# Altium PCB EBAZ4205.PcbDoc (part 2 of 6)
Units mm, origin at the board's own origin, x right, y up, seen from the top; angles counter-clockwise.
Board outline 100.3 x 97 mm, 4 copper layers (Top Layer, MidLayer1, MidLayer2, Bottom Layer); 565 components, 392 nets, 1912 pads, 1242 vias.
Unrouted connection lines stored in the file: 7.
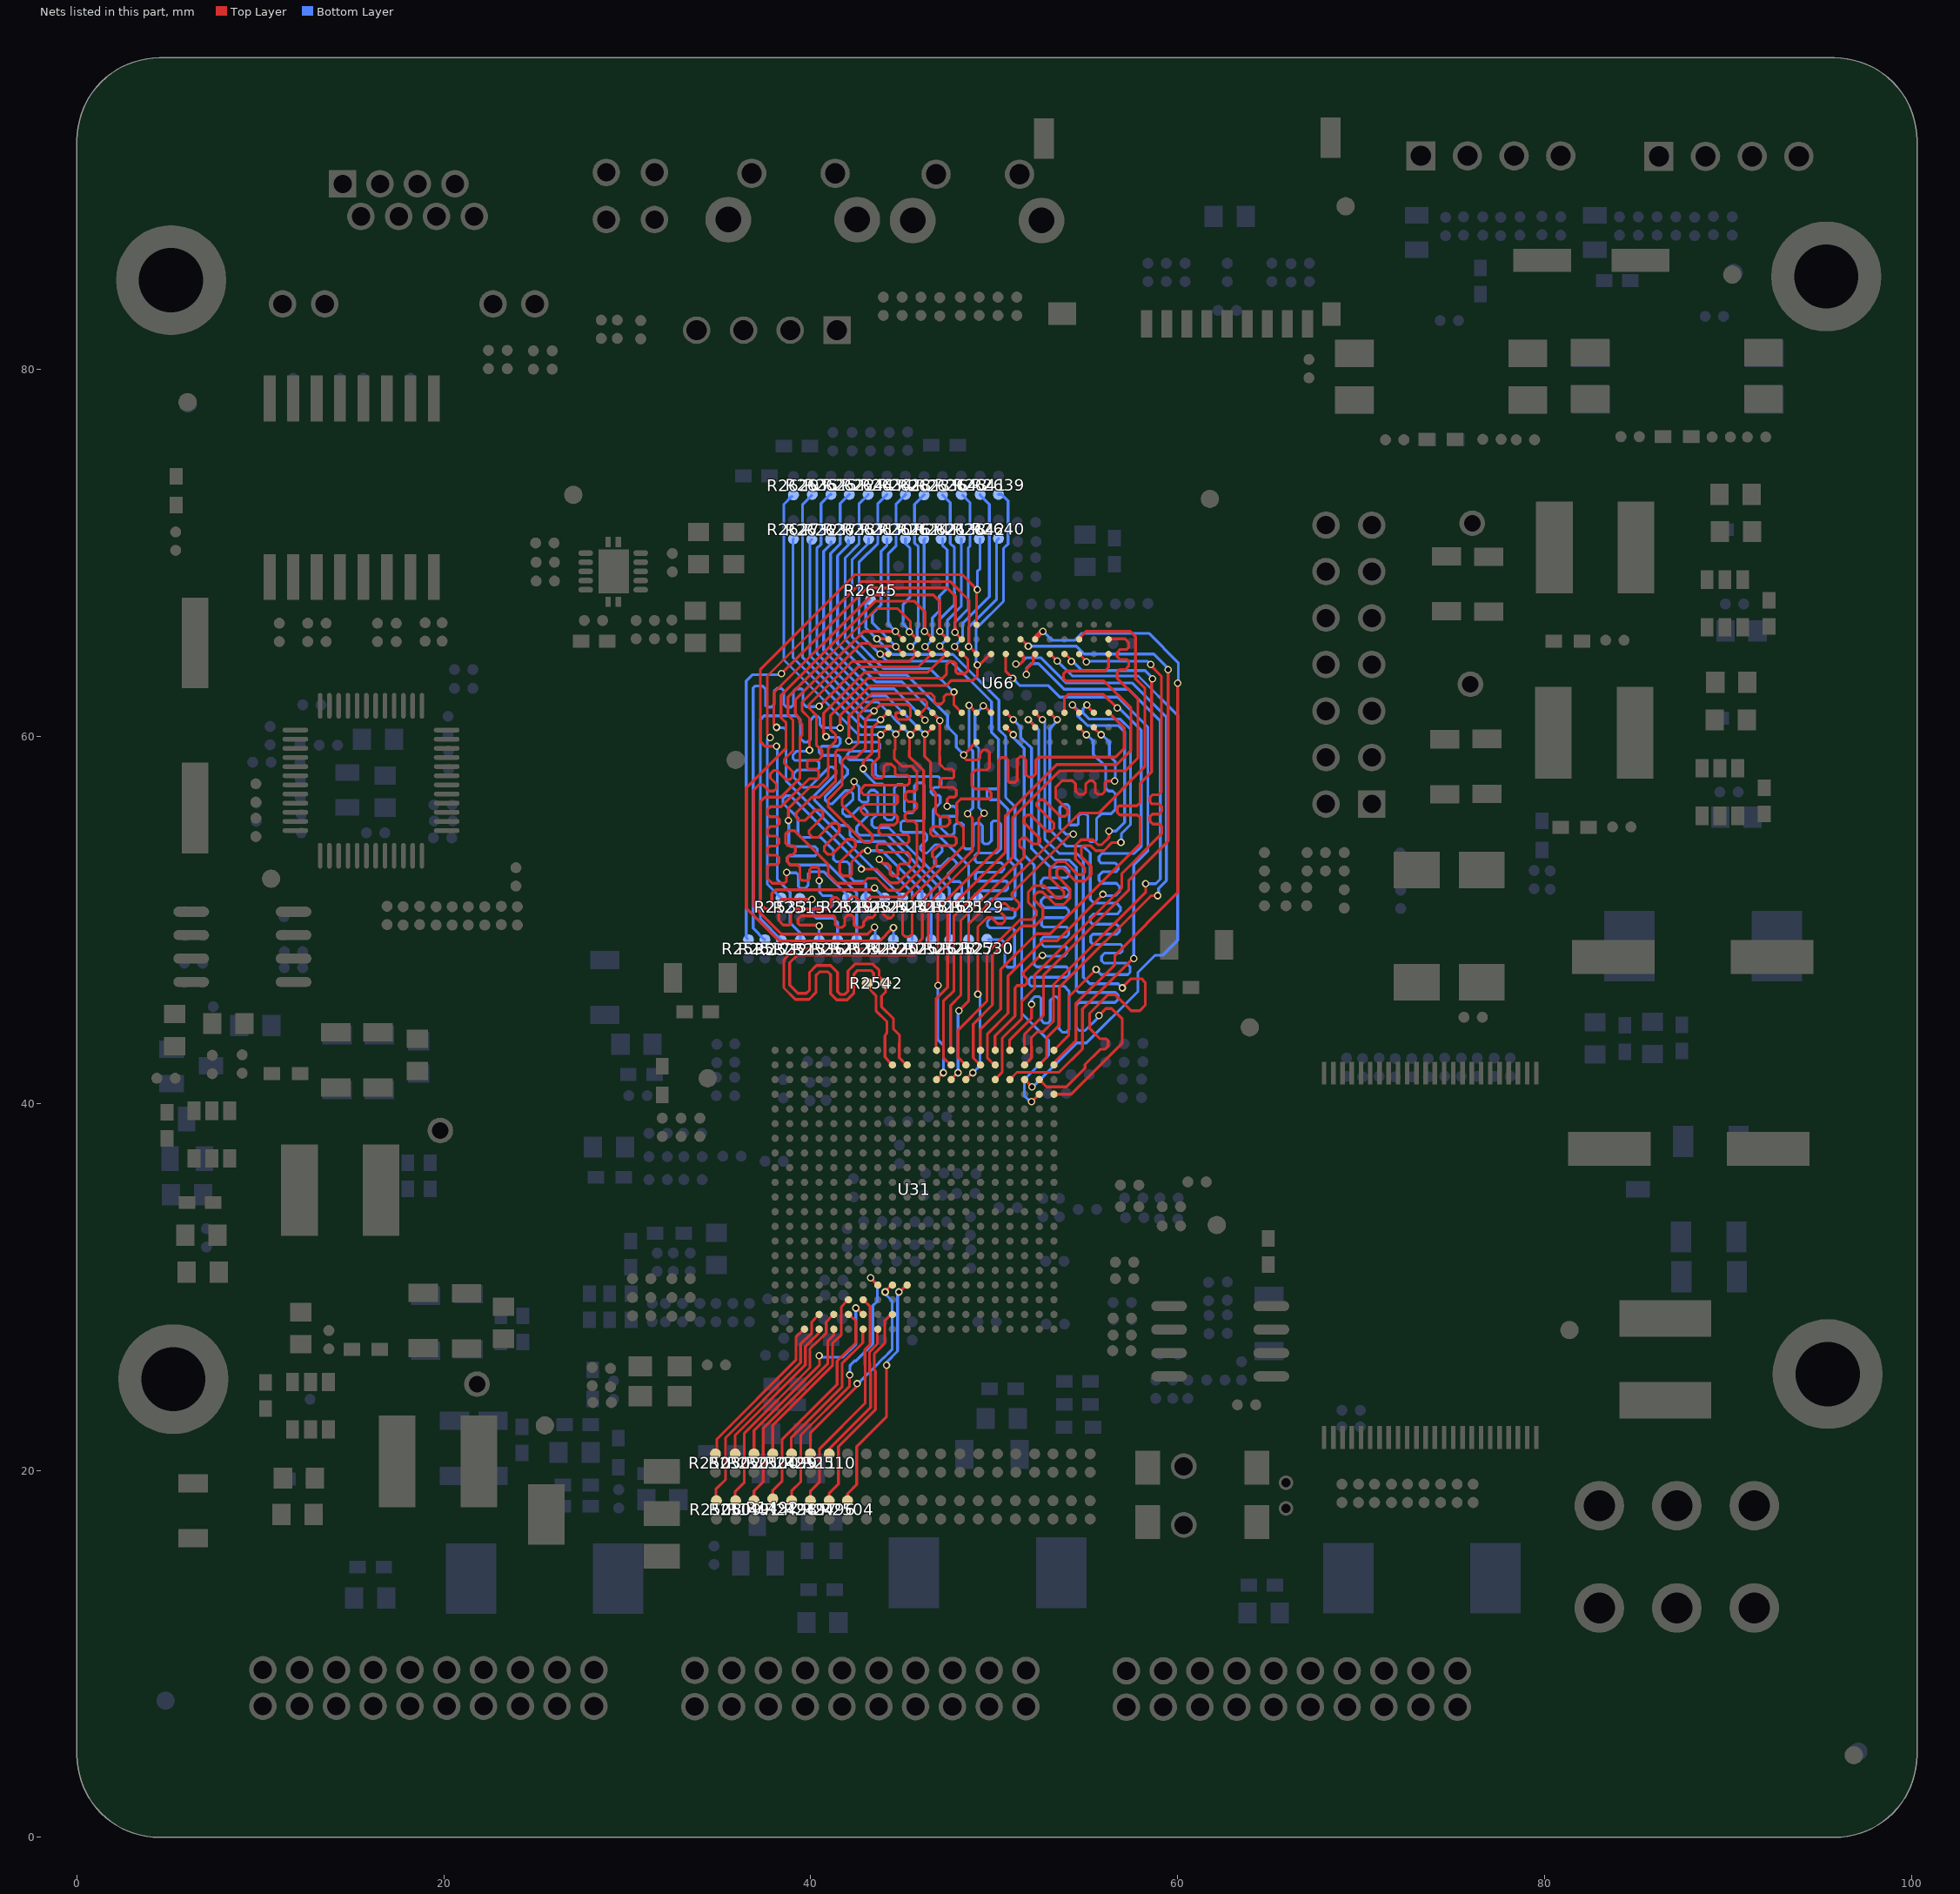
[diagram p4: the nets of this part, all layers, seen from the top]

## Via types
v1: diameter 0.406, hole 0.254, Top Layer to Bottom Layer, 1172 vias
v2: diameter 0.406, hole 0.254, Top Layer to Bottom Layer, tented both sides, 70 vias

## Nets (pads, with @x,y where several pads share a name; then routed paths per layer and width w, separated by ;. In a path a pad name is that pad's centre, name@x,y a point inside that pad or via, vN(x,y) a via of type N, cw(c..) or ccw(c..) an arc to the next point about the centre after c; other vN are vias at no path point) (continued)
DATA2-20_0: R2504.2 U31.L17 | length 13.1
  Top Layer w0.152: R2504.2@42.006,18.356 42.006,18.731 42.506,19.231 42.506,21.306 44.131,22.931 v1(44.131,25.731) ; v1@44.831,29.706 45.216,30.091 U31.L17@45.216,30.127
  Bottom Layer w0.152: v1(44.131,25.731) 44.131,25.906 44.731,26.506 44.731,29.606 v1@44.806,29.681
  other v1: 44.806,29.731
DATA3-5_0: R2496.2 U31.M19 | length 11.6
  Top Layer w0.152: R2496.2@41.006,18.356 41.006,18.756 41.506,19.256 41.506,21.306 43.52,23.32 43.52,25.407 43.47,25.457 43.47,26.37 44.031,26.931 44.031,28.156 U31.M19@44.381,28.506
DATA3-6_0: R2510.2 U31.N20 | length 7.9
  Top Layer w0.152: R2510.2@41.006,20.906 41.006,21.181 43.266,23.441 43.266,25.302 43.216,25.352 43.216,25.854 43.206,25.865 43.206,26.481 43.631,26.906 U31.N20@43.631,27.681
DATA3-7_0: R2497.2 U31.P18 | length 12.5
  Top Layer w0.152: R2497.2@39.981,18.356 39.981,18.881 40.481,19.381 40.481,21.181 42.962,23.662 42.962,25.749 42.952,25.759 42.952,26.586 43.231,26.865 43.231,27.574 43.231,27.887 43.231,28.373 43.231,28.686 43.231,28.931 U31.P18@42.856,29.306
DATA3-8_0: R2511.2 U31.M17 | length 11.3
  Top Layer w0.152: R2511.2@39.981,20.906 39.981,22.056 42.531,24.606 v1(42.531,24.731) ; v1@44.031,29.731 44.031,29.745 U31.M17@44.412,30.127
  Bottom Layer w0.152: v1(42.531,24.731) 42.581,24.731 43.724,25.874 43.724,25.899 43.962,26.137 43.987,26.137 44.431,26.581 44.431,29.256 v1@44.081,29.606
  other v1: 44.056,29.731
DATA3-9_0: R2498.2 U31.N17 | length 14.9
  Top Layer w0.152: R2498.2@38.956,18.356 38.956,18.881 39.456,19.381 39.456,21.931 42.106,24.581 42.106,25.331 v1@42.131,25.356 ; v1(43.256,30.506) 43.256,30.479 U31.N17@43.608,30.127
  Bottom Layer w0.152: v1@42.131,25.281 42.131,25.656 42.15,25.674 42.15,25.739 42.388,25.977 42.452,25.977 43.381,26.906 43.381,28.981 43.631,29.231 43.631,30.131 v1(43.256,30.506)
  other v1: 42.131,25.206
DATA3-11_0: R2499.2 U31.P20 | length 8.5
  Top Layer w0.152: R2499.2@38.981,20.906 38.931,20.956 38.931,21.781 41.706,24.556 41.706,25.831 42.831,26.956 U31.P20@42.831,27.731
DATA3-13_0: R2500.2 U31.R18 | length 10
  Top Layer w0.152: R2500.2@37.931,20.906 37.931,22.456 41.185,25.71 41.185,26.935 41.656,27.381 41.656,28.88 U31.R18@41.981,29.281
DATA3-14_0: R1492.2 U31.R19 | length 12.1
  Top Layer w0.152: R1492.2@37.931,18.456 37.931,18.906 38.431,19.406 38.431,21.681 41.439,24.689 41.439,25.964 42.443,26.949 42.443,28.169 U31.R19@42.056,28.506
DATA3-15_0: R2501.2 U31.P19 | length 11.5
  Top Layer w0.152: R2501.2@36.931,20.906 36.906,20.931 36.906,22.181 40.481,25.756 40.481,26.231 v1(40.456,26.256) ; v1@42.481,28.856 42.481,28.853 U31.P19@42.805,28.529
  Bottom Layer w0.152: v1(40.456,26.256) 40.531,26.181 41.756,26.181 42.456,26.881 42.456,28.681 v1@42.431,28.706
  other v1: 42.456,28.856
DATA3-16_0: R1491.2 U31.T20 | length 11.2
  Top Layer w0.152: R1491.2@36.906,18.356 36.906,18.881 37.406,19.381 37.406,22.306 40.931,25.831 40.931,27.056 41.256,27.381 U31.T20@41.256,27.731
DATA3-17_0: R2502.2 U31.U20 | length 8.7
  Top Layer w0.152: R2502.2@35.881,20.906 35.881,21.931 39.702,25.752 39.702,26.752 40.456,27.506 U31.U20@40.456,27.756
DATA3-18_0: R2509.2 U31.T19 | length 12.3
  Top Layer w0.152: R2509.2@35.881,18.406 35.881,18.856 36.381,19.356 36.381,22.031 39.956,25.606 39.956,26.631 40.843,27.483 40.843,28.092 41.197,28.471 U31.T19@41.197,28.529
DATA3-19_0: R2503.2 U31.V20 | length 8.7
  Top Layer w0.152: R2503.2@34.881,20.906 34.881,21.706 39.194,26.019 39.194,27.269 U31.V20@39.581,27.656
DATA3-20_0: R2508.2 U31.U19 | length 12.5
  Top Layer w0.152: R2508.2@34.831,18.356 34.831,18.981 35.356,19.506 35.356,21.781 39.448,25.873 39.448,26.898 40.056,27.483 40.056,28.092 40.393,28.467 U31.U19@40.393,28.529
DDR-A0_0: R2517.2 R2621.1 U66.N3 | length 36.3
  Top Layer w0.152: v1(40.456,61.656) 42.606,63.806 45.881,63.806 46.631,64.556 46.581,64.556 v1(46.231,64.906)
  Bottom Layer w0.152: R2517.2@37.506,48.931 37.481,48.931 36.856,49.556 36.856,62.656 36.956,62.756 37.381,62.756 37.531,62.606 37.531,61.706 37.631,61.606 37.856,61.606 38.006,61.756 38.006,62.481 38.156,62.631 38.406,62.631 38.531,62.506 38.531,61.756 38.681,61.606 38.931,61.606 39.056,61.731 39.056,62.481 39.181,62.606 39.506,62.606 39.581,62.531 39.581,61.806 39.756,61.631 v1@40.406,61.631 ; v1@46.331,64.981 46.631,65.281 46.631,65.556 46.624,65.562 46.624,66.474 47.012,66.862 47.012,67.349 47.006,67.355 47.006,67.656 47.431,68.081 47.431,70.181 47.181,70.431 R2621.1@47.181,70.781
DDR-A1_0: R2518.2 R2622.1 U66.P7 | length 47
  Top Layer w0.152: v1(43.106,53.781) 42.831,53.781 42.231,53.181 42.231,52.481 42.156,52.406 41.756,52.406 41.581,52.581 41.581,53.156 42.431,54.006 42.431,54.256 42.281,54.406 41.981,54.406 41.156,53.581 40.931,53.581 40.731,53.781 40.731,54.006 41.556,54.831 41.556,55.131 41.406,55.281 41.156,55.281 40.381,54.506 40.106,54.506 39.906,54.706 39.906,54.881 40.656,55.631 40.656,55.881 40.531,56.006 40.256,56.006 39.681,55.431 39.381,55.431 39.206,55.606 39.206,55.856 40.056,56.706 40.481,56.706 41.356,57.581 41.356,59.181 41.456,59.281 42.231,59.281 42.581,59.631 42.581,61.156 43.456,62.031 46.181,62.031 46.331,61.881 46.331,61.631 46.006,61.306 45.831,61.306 v1(46.231,60.906)
  Bottom Layer w0.152: R2622.1@42.106,73.206 41.606,72.706 41.606,70.506 41.081,69.981 41.081,64.806 43.281,62.606 44.556,62.606 46.231,60.931 v1(46.231,60.906) ; v1(43.106,53.781) 43.881,53.781 46.056,51.606 R2518.2@46.056,51.231
DDR-A2_0: R2519.2 R2623.1 U66.P3 | length 39
  Top Layer w0.152: 38.606,52.056 38.556,52.006 ; v1@38.681,52.631 38.681,52.131 38.556,52.006 ; v1(45.431,64.906) 45.781,64.556 45.831,64.556 45.356,64.081 42.231,64.081 39.906,61.756 39.906,61.556 40.306,61.156 40.306,59.556 40.606,59.256 40.606,58.906 40.431,58.731 39.906,58.731 39.806,58.631 39.806,58.306 39.881,58.231 40.306,58.231 40.431,58.106 40.431,57.781 40.356,57.706 39.906,57.706 38.381,56.181 37.806,56.181 37.631,56.006 37.631,55.781 37.781,55.631 38.156,55.631 38.281,55.506 38.281,55.256 38.131,55.106 37.806,55.106 37.631,54.931 37.631,54.706 37.756,54.581 38.106,54.581 38.256,54.431 38.256,54.181 38.106,54.031 37.756,54.031 37.631,53.906 37.631,53.656 37.756,53.531 38.131,53.531 38.256,53.406 38.256,53.131 38.156,53.031 37.756,53.031 37.631,52.906 37.631,52.281 37.906,52.006 38.556,52.006
  Bottom Layer w0.152: v1@38.806,52.581 39.206,52.581 39.331,52.456 39.331,51.831 39.431,51.731 39.706,51.731 39.856,51.881 39.856,52.506 39.981,52.631 40.731,52.631 42.006,51.356 R2519.2@42.006,51.206 ; v1@45.456,64.881 45.806,65.231 45.806,65.562 45.802,65.566 45.802,65.831 45.802,65.902 45.862,65.963 45.862,70.349 45.656,70.556 45.656,72.656 R2623.1@46.181,73.181
  other v1: 38.681,52.606
DDR-A3_0: R2520.2 R2624.1 U66.N2 | length 39.3
  Top Layer w0.152: v1(44.506,49.581) 44.481,49.581 43.756,48.856 38.281,48.856 36.481,50.656 36.481,57.206 38.656,59.381 38.656,60.756 38.381,61.031 38.381,62.256 43.506,67.381 45.656,67.381 46.231,66.806 v1@46.231,65.731 ; v1(46.208,65.734) 46.227,65.734 v1@46.231,65.731 ; U66.N2@46.631,65.356 46.256,65.731 v1@46.231,65.731
  Bottom Layer w0.152: R2520.2@44.506,48.931 v1(44.506,49.581) ; v1@46.231,65.757 v1(46.208,65.734) 46.181,65.761 46.181,70.731 R2624.1@46.231,70.781
DDR-A4_0: R2521.2 R2625.1 U66.P8 | length 45.7
  Top Layer w0.152: v1(40.456,52.156) 40.456,52.781 40.356,52.881 40.056,52.881 39.931,52.756 39.931,52.256 39.831,52.156 39.531,52.156 39.406,52.281 39.406,52.881 39.281,53.006 38.881,53.006 38.731,53.156 38.731,53.406 38.881,53.556 39.006,53.556 39.156,53.706 39.156,53.956 39.056,54.056 38.756,54.056 38.631,54.181 38.631,54.706 38.806,54.881 39.106,54.881 40.956,53.031 40.956,52.481 41.431,52.006 42.831,52.006 43.106,52.281 43.581,52.281 44.231,51.631 44.856,51.631 46.156,52.931 46.156,58.156 45.634,58.677 45.615,58.677 45.377,58.915 45.377,59.252 45.384,59.259 45.384,60.058 v1(45.431,60.106) 45.806,60.481 U66.P8@45.831,60.481
  Bottom Layer w0.152: v1@40.481,52.106 40.481,51.506 40.656,51.331 41.131,51.331 41.206,51.256 41.206,50.831 41.106,50.731 40.306,50.731 40.131,50.556 40.131,50.281 40.306,50.106 41.231,50.106 41.456,49.881 R2521.2@41.456,48.931 ; R2625.1@41.106,73.206 41.056,73.206 40.556,72.706 40.556,70.481 40.331,70.256 40.331,64.556 43.006,61.881 43.656,61.881 v1@45.381,60.156
DDR-A5_0: R2522.2 R2626.1 U66.P2 | length 38.9
  Top Layer w0.152: v1(43.481,49.606) 43.106,49.231 38.406,49.231 36.881,50.756 36.881,57.081 37.181,57.381 37.381,57.381 37.731,57.031 37.981,57.031 38.131,57.181 38.131,57.406 37.781,57.756 37.781,57.956 37.981,58.156 38.156,58.156 38.656,57.656 38.856,57.656 39.006,57.806 39.006,58.106 38.556,58.556 38.556,58.756 39.031,59.231 39.031,60.906 38.756,61.181 38.756,62.156 43.581,66.981 44.731,66.981 45.431,66.281 v1@45.431,65.706 ; v1@45.406,65.706 45.756,65.356 U66.P2@45.831,65.356
  Bottom Layer w0.152: v1(43.481,49.606) 43.506,49.581 R2522.2@43.506,48.931 ; R2626.1@45.156,70.781 45.156,70.531 45.406,70.281 45.406,67.581 45.031,67.206 45.031,66.68 45.037,66.674 45.037,66.337 45.031,66.331 45.031,66.131 v1@45.406,65.756
  other v1: 45.381,65.706
DDR-A6_0: R2523.2 R2627.1 U66.R8 | length 42.6
  Top Layer w0.152: v1(42.756,52.781) 43.581,52.781 44.331,52.031 44.756,52.031 45.781,53.056 45.781,55.231 45.631,55.381 45.281,55.381 45.131,55.531 45.131,55.731 45.306,55.906 45.581,55.906 45.781,56.106 45.781,56.331 45.656,56.456 45.306,56.456 45.156,56.606 45.156,56.881 45.281,57.006 45.656,57.006 45.781,57.131 45.781,58.106 45.506,58.381 44.981,58.381 44.781,58.581 44.552,58.81 44.552,59.252 44.606,59.306 44.606,60.106 v1(44.631,60.131) 44.981,60.481 U66.R8@45.031,60.481
  Bottom Layer w0.152: R2627.1@39.056,70.781 39.031,70.756 39.031,64.306 42.812,60.524 43.974,60.524 43.981,60.531 44.231,60.531 v1(44.631,60.131) ; v1@42.806,52.706 42.806,52.881 38.906,56.781 38.656,56.781 38.481,56.606 38.481,56.381 39.306,55.556 39.306,54.681 39.481,54.506 40.556,54.506 41.231,53.831 41.231,53.331 41.381,53.181 41.981,53.181 42.131,53.031 42.131,52.356 42.381,52.106 42.881,52.106 43.006,51.981 R2523.2@43.006,51.206
DDR-A7_0: R2524.2 R2628.1 U66.R2 | length 36.2
  Top Layer w0.152: v1(43.481,51.756) 43.381,51.656 38.081,51.656 37.881,51.456 37.881,50.706 37.781,50.606 37.531,50.606 37.256,50.881 37.256,56.456 37.506,56.706 38.381,56.706 39.406,57.731 39.406,59.956 39.531,60.081 39.531,60.656 39.381,60.806 39.381,61.031 39.156,61.256 39.156,62.006 42.887,65.737 44.052,65.737 44.058,65.731 v1(44.606,65.731) 44.981,65.356 U66.R2@45.031,65.356
  Bottom Layer w0.152: v1@43.556,51.681 R2524.2@44.031,51.206 ; v1@44.581,65.756 44.224,66.112 44.224,69.974 44.656,70.406 44.656,72.681 45.156,73.181 R2628.1@45.156,73.206
DDR-A8_0: R2525.2 R2629.1 U66.T8 | length 48.4
  Top Layer w0.152: v1@43.756,53.281 43.956,53.081 44.181,53.081 44.331,52.931 44.331,52.506 44.431,52.406 44.681,52.406 44.756,52.481 44.756,52.931 44.881,53.056 45.306,53.056 45.406,53.156 45.406,53.556 45.256,53.706 43.706,53.706 43.606,53.806 43.606,54.081 43.681,54.156 45.231,54.156 45.356,54.281 45.356,54.556 45.256,54.656 43.831,54.656 43.706,54.781 43.706,55.056 43.831,55.181 44.556,55.181 44.731,55.356 44.731,55.631 44.606,55.756 42.906,55.756 42.856,55.806 42.731,55.931 42.731,56.106 42.931,56.306 44.631,56.306 44.731,56.406 44.731,56.756 44.656,56.831 42.881,56.831 42.756,56.956 42.756,57.156 42.956,57.356 45.281,57.356 45.381,57.456 45.381,57.781 45.256,57.906 44.656,57.906 44.606,57.956 44.606,58.281 44.381,58.506 44.131,58.506 43.981,58.356 43.981,57.856 43.856,57.731 43.531,57.731 43.356,57.906 43.356,58.506 43.727,58.876 43.727,59.976 43.756,60.006 43.756,60.056 v1(43.806,60.106) 44.181,60.481 U66.T8@44.231,60.481
  Bottom Layer w0.152: R2629.1@38.981,73.081 38.956,73.081 38.531,72.656 38.531,64.181 42.606,60.106 v1(43.806,60.106) ; v1@43.771,53.266 45.531,51.506 R2525.2@45.531,48.931
  other v1: 43.731,53.306
DDR-A9_0: R2526.2 R2630.1 U66.R3 | length 37.8
  Top Layer w0.152: v1(39.931,59.256) 39.931,61.006 39.531,61.406 39.531,61.881 42.731,65.081 43.206,65.081 43.362,64.924 43.774,64.924 43.781,64.931 44.606,64.931 v1(44.631,64.906) 44.981,64.556 U66.R3@45.031,64.556
  Bottom Layer w0.152: v1@39.906,59.206 39.231,59.206 39.031,59.006 39.031,58.806 39.131,58.706 40.331,58.706 40.456,58.581 40.456,58.306 40.331,58.181 39.256,58.181 39.081,58.006 39.081,57.756 39.606,57.231 39.906,57.231 41.031,58.356 41.181,58.356 41.381,58.156 41.381,57.981 40.206,56.806 40.206,56.531 41.581,55.156 42.006,55.156 42.131,55.031 42.131,54.631 42.481,54.281 44.031,54.281 46.556,51.756 R2526.2@46.556,48.931 ; R2630.1@44.156,70.781 44.156,70.431 43.831,70.106 43.831,67.181 43.356,66.706 43.356,66.206 44.556,65.006 v1@44.556,64.906
DDR-A10_0: R2527.2 R2631.1 U66.L7 | length 42.4
  Top Layer w0.152: v1(42.081,59.756) 42.081,61.106 43.331,62.356 46.556,62.356 46.731,62.181 46.731,61.906 46.856,61.781 47.106,61.781 47.256,61.931 47.256,62.181 47.381,62.306 47.681,62.306 v1(47.806,62.431) 47.806,61.731 U66.L7@48.231,61.306
  Bottom Layer w0.152: v1@42.206,59.731 42.231,59.706 43.656,59.706 43.756,59.606 43.756,59.356 43.606,59.206 42.156,59.206 42.006,59.056 42.006,58.831 42.106,58.731 43.306,58.731 43.531,58.506 43.531,57.956 43.656,57.831 46.931,57.831 47.106,57.656 47.106,57.381 46.956,57.231 46.731,57.231 46.556,57.056 46.556,56.956 46.706,56.806 46.981,56.806 47.056,56.731 47.056,56.381 46.681,56.006 46.681,54.906 48.606,52.981 R2527.2@48.606,48.931 ; R2631.1@43.156,70.781 43.156,70.556 42.256,69.656 42.256,65.431 43.981,63.706 46.506,63.706 47.731,62.481 v1@47.731,62.456
DDR-A11_0: R2528.2 R2632.1 U66.R7 | length 42.4
  Top Layer w0.152: v1(42.356,57.556) 42.356,57.256 41.706,56.606 41.706,56.281 43.356,54.631 43.356,54.356 43.231,54.231 42.906,54.231 40.956,56.181 40.956,56.581 41.706,57.331 41.706,58.681 41.906,58.881 42.506,58.881 42.981,59.356 42.981,60.931 v1(43.456,61.406) 43.806,61.756 45.281,61.756 45.431,61.606 45.431,61.106 45.256,60.931 44.756,60.931 44.631,61.056 44.631,61.281 44.656,61.306 U66.R7@45.031,61.306
  Bottom Layer w0.152: R2632.1@40.056,70.756 39.956,70.656 39.956,64.406 42.956,61.406 v1@43.381,61.406 ; v1(42.356,57.556) 42.631,57.281 42.631,56.581 42.781,56.431 43.081,56.431 43.131,56.481 43.131,56.931 43.281,57.081 43.481,57.081 43.656,56.906 43.656,55.806 43.331,55.481 43.331,55.181 43.481,55.031 44.256,55.031 47.556,51.731 R2528.2@47.556,48.956
DDR-A12_0: R2529.2 R2633.1 U66.N7 | length 42.9
  Top Layer w0.152: U66.N7@46.631,61.306 47.031,60.906 47.031,59.28 47.024,59.274 47.024,58.937 47.031,58.931 47.031,58.506 47.306,58.231 47.706,58.231 47.806,58.131 47.806,57.806 47.731,57.731 47.156,57.731 47.031,57.606 47.031,57.356 47.156,57.231 47.781,57.231 47.931,57.081 47.931,56.806 47.831,56.706 47.556,56.706 47.431,56.581 v1(47.431,56.206)
  Bottom Layer w0.152: R2633.1@42.056,70.706 42.056,70.456 41.456,69.856 41.456,65.081 43.556,62.981 44.981,62.981 47.031,60.931 v1(47.031,60.881) ; v1@47.506,56.206 47.806,56.206 47.956,56.056 47.956,55.731 47.881,55.656 47.156,55.656 47.056,55.556 47.056,55.056 47.481,54.631 47.706,54.631 47.831,54.756 47.831,55.156 47.956,55.281 48.231,55.281 48.331,55.181 48.331,53.981 48.431,53.881 48.706,53.881 48.856,54.031 48.856,55.131 49.006,55.281 49.206,55.281 49.356,55.131 49.356,54.256 49.456,54.156 49.681,54.156 49.856,54.331 49.856,55.306 49.956,55.406 50.181,55.406 50.356,55.231 50.356,53.881 50.131,53.656 49.081,53.656 48.956,53.531 48.956,53.256 49.081,53.131 50.381,53.131 50.531,52.981 50.531,52.756 50.381,52.606 49.081,52.606 48.981,52.506 48.981,52.231 49.081,52.131 50.656,52.131 50.731,52.056 50.731,51.706 50.631,51.606 49.281,51.606 49.081,51.406 R2529.2@49.081,51.206
DDR-A13_0: R2530.2 R2634.1 U66.T3 | length 41.7
  Top Layer w0.152: v1@43.731,64.506 44.181,64.506 U66.T3@44.231,64.556
  Bottom Layer w0.152: R2634.1@44.156,73.206 43.656,72.706 43.656,70.531 42.631,69.506 42.631,65.631 44.156,64.106 47.656,64.106 49.856,61.906 49.856,60.231 50.231,59.856 50.231,57.256 50.131,57.156 49.681,57.156 49.606,57.081 49.606,56.731 49.781,56.556 50.231,56.556 50.756,56.031 50.756,53.306 51.131,52.931 51.131,51.306 50.981,51.156 49.806,51.156 49.581,50.931 49.581,50.756 49.731,50.606 51.031,50.606 51.131,50.506 51.131,50.231 51.006,50.106 49.806,50.106 49.631,49.931 49.631,49.681 49.731,49.581 50.981,49.581 51.106,49.456 51.106,47.481 51.056,47.431 50.731,47.431 50.581,47.581 50.581,48.756 50.406,48.931 R2530.2@49.681,48.931
  other v1: 43.781,64.506
DDR-A14_0: R2531.2 R2635.1 U66.T7 | length 41.5
  Top Layer w0.152: v1(42.856,58.256) 42.856,58.631 43.331,59.106 43.331,60.456 v1(43.806,60.931) 44.181,61.306 U66.T7@44.231,61.306
  Bottom Layer w0.152: R2635.1@40.056,73.156 39.556,72.656 39.556,64.306 42.956,60.906 43.781,60.906 v1(43.806,60.931) ; v1@42.881,58.206 42.881,58.081 43.531,57.431 43.881,57.431 44.006,57.306 44.006,55.606 44.156,55.456 44.431,55.456 44.556,55.581 44.556,57.206 44.756,57.406 44.981,57.406 45.106,57.281 45.106,55.931 45.206,55.831 45.506,55.831 45.656,55.981 45.656,57.331 45.806,57.481 46.056,57.481 46.181,57.356 46.181,55.506 46.081,55.406 45.006,55.406 44.906,55.306 44.906,54.906 45.031,54.781 46.181,54.781 46.331,54.631 46.331,54.381 45.981,54.031 45.981,53.856 46.181,53.656 46.331,53.656 46.781,54.106 47.006,54.106 47.156,53.956 47.156,53.731 46.731,53.306 46.731,53.056 46.856,52.931 47.106,52.931 47.506,53.331 47.756,53.331 47.956,53.131 47.956,53.006 47.481,52.531 47.481,52.331 47.706,52.106 48.106,52.106 48.231,51.981 48.231,51.356 R2531.2@48.081,51.206
DDR-BA0_0: R2514.2 R2636.1 U66.M2 | length 36
  Top Layer w0.152: v1(38.131,60.506) 37.981,60.656 37.981,62.381 43.331,67.731 46.681,67.731 47.031,67.381 v1(47.031,65.731) 47.406,65.356 U66.M2@47.431,65.356
  Bottom Layer w0.152: v1@38.081,60.481 38.531,60.481 38.656,60.356 38.656,57.581 45.006,51.231 R2514.2@45.006,51.206 ; v1(47.031,65.731) 47.031,66.406 47.837,67.212 47.837,67.878 47.831,67.884 47.831,70.306 47.606,70.531 47.606,72.756 R2636.1@47.181,73.181
DDR-BA1_0: R2515.2 R2637.1 U66.N8 | length 41.3
  Top Layer w0.152: v1(40.056,51.131) 38.406,51.131 38.256,50.981 38.256,49.981 38.506,49.731 38.831,49.731 38.906,49.806 38.906,50.381 39.131,50.606 40.956,50.606 41.106,50.756 41.106,51.131 41.206,51.231 41.406,51.231 41.556,51.081 41.556,50.706 41.631,50.631 41.881,50.631 42.056,50.806 42.056,51.106 42.231,51.281 42.431,51.281 42.606,51.106 42.606,50.656 42.731,50.531 43.006,50.531 43.106,50.631 43.106,51.131 43.231,51.256 45.031,51.256 46.831,53.056 46.831,53.281 46.631,53.481 46.631,53.731 46.956,54.056 47.806,54.056 47.931,54.181 47.931,54.456 47.806,54.581 46.656,54.581 46.531,54.706 46.531,54.956 46.681,55.106 47.406,55.106 47.581,55.281 47.581,55.481 47.431,55.631 47.031,55.631 46.806,55.856 46.806,56.931 46.531,57.206 46.531,58.606 46.202,58.935 46.202,59.334 46.202,60.102 v1(46.231,60.131) 46.281,60.131 U66.N8@46.631,60.481
  Bottom Layer w0.152: R2515.2@39.406,51.181 39.506,51.081 v1@39.931,51.081 ; R2637.1@41.106,70.631 41.106,70.506 40.706,70.106 40.706,64.706 43.181,62.231 44.106,62.231 46.206,60.131 v1(46.231,60.131)
DDR-BA2_0: R2516.2 R2638.1 U66.M3 | length 35.6
  Top Layer w0.152: v1(40.831,60.006) 40.706,60.131 40.706,61.281 42.931,63.506 46.381,63.506 47.431,64.556 47.406,64.556 v1(47.031,64.931)
  Bottom Layer w0.152: v1@40.931,59.956 41.531,59.956 41.606,59.881 41.606,59.631 41.456,59.481 40.606,59.481 40.456,59.331 40.456,59.131 40.606,58.981 41.506,58.981 41.606,58.881 41.606,58.606 42.006,58.206 42.006,57.956 40.781,56.731 40.781,56.556 41.006,56.331 41.156,56.331 41.881,57.056 42.131,57.056 42.306,56.881 42.306,56.581 41.731,56.006 41.731,55.856 41.931,55.656 42.181,55.656 42.631,56.106 42.906,56.106 43.081,55.931 43.081,55.656 42.506,55.081 42.506,54.781 42.656,54.631 44.181,54.631 47.056,51.756 R2516.2@47.056,51.231 ; v1(47.031,64.931) 47.449,65.349 47.449,66.349 48.206,67.106 R2638.1@48.206,70.781
DDR-CAS_0: R2533.2 R2640.1 U66.K3 | length 35.6
  Top Layer w0.152: v1(37.781,59.956) 37.631,60.106 37.631,63.306 42.781,68.456 47.606,68.456 48.631,67.431 48.631,64.931 49.006,64.556 U66.K3@49.031,64.556
  Bottom Layer w0.152: v1@37.706,59.906 37.631,59.831 37.631,51.956 R2533.2@38.381,51.206 ; v1(48.606,64.906) 48.606,65.956 50.131,67.481 50.131,70.681 R2640.1@50.231,70.781
DDR-CK#_0: R2542.1 U31.M2 U66.K7 | length 38.9
  Top Layer w0.152: R2542.1@43.081,46.556 43.256,46.556 43.431,46.731 43.431,47.106 43.281,47.256 42.556,47.256 42.356,47.056 42.356,46.031 41.981,45.656 41.406,45.656 41.081,45.981 41.081,47.031 40.931,47.181 40.481,47.181 40.281,46.981 40.281,46.056 39.906,45.681 39.156,45.681 38.531,46.306 38.531,47.831 39.131,48.431 45.506,48.431 46.081,49.006 46.081,51.056 48.806,53.781 48.806,55.556 v1(48.556,55.806) ; R2542.1@43.156,46.456 43.156,46.281 43.556,45.881 43.556,45.056 44.156,44.456 44.156,43.856 44.044,43.688 44.044,42.545 U31.M2@44.412,42.107 ; v1@48.606,61.706 v1(48.631,61.706) U66.K7@49.031,61.306
  Bottom Layer w0.152: v1@48.531,55.806 48.831,56.106 48.831,59.206 48.631,59.406 v1(48.631,61.706)
DDR-CK_0: R2542.2 U31.L2 U66.J7 | length 39.2
  Top Layer w0.152: R2542.2@44.081,46.506 44.081,46.081 43.856,45.856 43.856,45.281 44.506,44.631 44.506,44.056 44.837,43.724 44.837,43.287 44.831,43.281 44.831,42.492 U31.L2@45.216,42.107 ; R2542.2@44.081,46.556 43.731,46.906 43.731,47.256 43.381,47.606 42.406,47.606 42.031,47.231 42.031,46.131 41.856,45.956 41.606,45.956 41.456,46.106 41.456,47.156 41.081,47.531 40.306,47.531 39.931,47.156 39.931,46.181 39.756,46.006 39.306,46.006 38.856,46.456 38.856,47.681 39.256,48.081 45.656,48.081 46.406,48.831 46.406,50.906 49.156,53.656 49.156,55.531 v1(49.456,55.831) ; v1@49.431,61.731 49.431,61.706 U66.J7@49.831,61.306
  Bottom Layer w0.152: v1@49.406,61.656 48.956,61.206 48.956,59.556 49.156,59.356 49.156,56.131 v1(49.456,55.831)
  other v1: 49.406,61.681
DDR-CKE_0: R2536.2 R2644.1 U66.K9 | length 49.2
  Top Layer w0.152: v1@40.456,49.731 39.406,49.731 39.306,49.831 39.306,50.056 39.481,50.231 41.256,50.231 41.331,50.156 41.331,49.756 41.481,49.606 41.731,49.606 41.856,49.731 41.856,50.131 42.006,50.281 42.231,50.281 42.356,50.156 42.356,49.731 42.481,49.606 42.781,49.606 42.881,49.706 42.881,49.906 43.106,50.131 43.356,50.131 43.506,50.281 43.506,50.606 43.656,50.756 43.881,50.756 43.956,50.681 43.956,50.331 44.181,50.106 44.356,50.106 44.506,50.256 44.506,50.781 44.606,50.881 44.906,50.881 45.006,50.781 45.006,49.231 45.131,49.106 45.406,49.106 45.531,49.231 45.531,51.256 48.331,54.056 48.331,55.031 47.956,55.406 47.956,56.381 48.181,56.606 49.731,56.606 49.831,56.706 49.831,56.931 49.606,57.156 48.956,57.156 48.781,57.331 48.781,57.981 48.981,58.181 49.606,58.181 49.731,58.306 49.731,59.156 49.606,59.281 49.406,59.281 49.231,59.106 49.231,58.856 49.106,58.731 48.481,58.731 48.331,58.881 v1(48.331,59.006) U66.K9@49.031,59.706
  Bottom Layer w0.152: R2536.2@40.456,48.906 v1@40.456,49.631 ; R2644.1@43.131,73.206 43.131,73.181 42.631,72.681 42.631,70.506 41.881,69.756 41.881,65.281 43.806,63.356 45.231,63.356 47.456,61.131 47.456,60.531 47.931,60.056 47.931,59.431 v1@48.256,59.106
  other v1: 40.456,49.681
DDR-CS_0: R2535.2 R2643.1 U66.L2 | length 38.3
  Top Layer w0.152: v1(38.406,63.431) 43.081,68.106 47.431,68.106 47.881,67.656 47.881,66.255 47.878,66.252 47.878,65.959 47.881,65.957 47.881,65.806 47.806,65.731 v1(47.856,65.681) 48.181,65.356 U66.L2@48.231,65.356
  Bottom Layer w0.152: R2535.2@36.556,48.981 36.481,49.056 36.481,63.031 36.831,63.381 38.356,63.381 v1(38.406,63.431) ; v1(47.856,65.681) 47.856,66.231 48.581,66.956 48.581,70.281 48.681,70.381 48.681,72.756 R2643.1@48.281,73.156
DDR-DQ0_0: U31.C3 U66.E3 | length 33
  Top Layer w0.152: U31.C3@51.648,41.308 52.051,40.906 v1(52.056,40.906) ; U66.E3@53.031,64.556 53.031,64.531 v1(53.431,64.131)
  Bottom Layer w0.152: v1@52.131,40.956 52.156,40.956 54.506,43.306 55.031,43.306 57.831,46.106 57.831,47.156 58.756,48.081 59.181,48.081 60.006,48.906 60.006,61.156 57.856,63.306 54.256,63.306 v1(53.431,64.131)
DDR-DQ1_0: U31.B3 U66.F7 | length 32.6
  Top Layer w0.152: U66.F7@52.231,61.306 52.606,60.931 v1(52.631,60.931) ; U31.B3@52.452,41.308 52.854,40.906 53.931,40.906 54.956,41.931 54.956,42.131 55.781,42.956 56.031,42.956 56.206,43.131 56.206,43.431 56.106,43.531 55.756,43.531 55.206,44.081 55.206,44.931 56.206,45.931 56.581,45.931 57.456,45.056 57.931,45.056 58.231,45.356 58.231,46.606 58.031,46.806 57.456,46.806 56.981,46.331 v1(56.981,46.306)
  Bottom Layer w0.152: v1(52.631,60.931) 52.756,60.806 52.756,54.431 53.556,53.631 54.506,53.631 54.856,53.281 54.856,46.881 55.206,46.531 56.756,46.531 v1(56.981,46.306)
DDR-DQ2_0: U31.A2 U66.F2 | length 33.6
  Top Layer w0.152: U31.A2@53.256,42.107 53.256,42.231 54.456,43.431 54.456,45.456 56.581,47.581 56.581,48.081 60.006,51.506 v1(60.006,62.906) v1@59.981,62.931
  Top Layer w0.305: U66.F2@52.231,65.356 v1@52.631,65.756
  Bottom Layer w0.152: v1@52.681,65.731 53.156,65.256 54.406,65.256 54.781,65.631 58.431,65.631 60.031,64.031 v1@60.031,62.981
  other v1: 52.656,65.731
DDR-DQ3_0: U31.A4 U66.F8 | length 32.6
  Top Layer w0.152: v1(51.856,60.931) 52.231,60.556 U66.F8@52.231,60.481 ; U31.A4@53.256,40.51 54.185,40.51 56.981,43.306 56.981,44.606 56.406,45.181 56.081,45.181 v1(55.706,44.806)
  Bottom Layer w0.152: v1@51.931,60.856 52.431,60.356 52.431,54.131 53.281,53.281 54.081,53.281 54.481,52.881 54.481,46.181 54.606,46.056 56.606,46.056 56.756,45.906 56.756,45.681 56.581,45.506 54.631,45.506 54.456,45.331 54.456,44.156 54.631,43.981 54.956,43.981 55.706,44.731 v1(55.706,44.806)
DDR-DQ4_0: U31.D3 U66.H3 | length 33.7
  Top Layer w0.152: U66.H3@50.631,64.556 50.631,63.556 v1(51.006,63.181) ; U31.D3@50.844,41.308 51.241,41.706 53.531,41.706 54.806,42.981 54.806,45.156 57.556,47.906 v1(57.606,47.906)
  Bottom Layer w0.152: v1(51.006,63.181) 51.406,62.781 52.956,62.781 53.581,62.156 56.731,62.156 58.381,60.506 58.381,53.781 57.606,53.006 57.606,47.931 v1@57.656,47.881
DDR-DQ5_0: U31.D1 U66.H8 | length 32.6
  Top Layer w0.152: U66.H8@50.631,60.481 50.656,60.481 v1(51.031,60.106) ; U31.D1@50.844,42.906 50.844,43.469 52.031,44.656 v1(52.031,45.406)
  Bottom Layer w0.152: v1@51.056,60.156 51.056,59.931 51.631,59.356 51.631,53.556 52.181,53.006 52.181,47.581 52.306,47.456 53.931,47.456 54.081,47.306 54.081,47.006 53.956,46.881 52.006,46.881 51.906,46.781 51.906,46.506 52.006,46.406 53.806,46.406 54.081,46.131 54.081,44.031 53.931,43.881 53.731,43.881 53.531,44.081 53.531,45.681 53.381,45.831 53.256,45.831 53.056,45.631 53.056,44.506 52.931,44.381 52.731,44.381 52.556,44.556 52.556,45.731 52.456,45.831 52.206,45.831 52.031,45.656 v1(52.031,45.406)
DDR-DQ6_0: U31.C1 U66.G2 | length 32.9
  Top Layer w0.152: U66.G2@51.431,65.356 v1(51.856,64.931) ; U31.C1@51.648,42.906 51.648,43.773 52.681,44.806 52.681,46.981 57.331,51.631 57.331,52.156 59.481,54.306 v1(59.481,63.656)
  Bottom Layer w0.152: v1(51.856,64.931) 54.481,64.931 54.906,64.506 58.706,64.506 v1@59.581,63.631
DDR-DQ7_0: U31.E1 U66.H7 | length 33.8
  Top Layer w0.152: U31.E1@50.04,42.906 50.04,43.69 51.131,44.781 51.131,46.306 51.256,46.431 51.656,46.431 51.781,46.556 51.781,46.806 51.581,47.006 51.581,47.156 52.506,48.081 v1(52.631,48.081) ; U66.H7@50.631,61.306 50.656,61.306 v1(51.031,60.931)
  Bottom Layer w0.152: v1(51.031,60.931) 51.437,60.524 51.437,59.949 51.687,59.699 51.712,59.699 52.031,59.381 52.031,53.906 53.056,52.881 53.881,52.881 54.081,52.681 54.081,52.431 53.956,52.306 52.731,52.306 52.556,52.131 52.556,51.881 52.681,51.756 53.931,51.756 54.081,51.606 54.081,51.406 53.931,51.256 52.731,51.256 52.556,51.081 52.556,50.881 52.756,50.681 53.906,50.681 54.056,50.531 54.056,50.331 53.856,50.131 52.706,50.131 52.581,50.006 52.581,49.731 52.681,49.631 53.931,49.631 54.056,49.506 54.056,49.206 53.931,49.081 52.681,49.081 52.556,48.956 52.556,48.731 52.731,48.556 53.906,48.556 53.956,48.506 53.956,48.181 53.806,48.031 52.681,48.031 v1(52.631,48.081)
DDR-DQ8_0: U31.E2 U66.D7 | length 32.7
  Top Layer w0.152: U31.E2@50.04,42.107 50.004,42.107 49.631,42.481 49.631,43.806 50.756,44.931 50.756,46.956 52.681,48.881 53.431,48.881 55.931,51.381 v1(55.931,51.406) ; U66.D7@53.831,61.306 53.831,62.106 54.031,62.306 55.956,62.306 v1(56.706,61.556)
  Bottom Layer w0.152: v1(55.931,51.406) 56.006,51.331 56.606,51.331 56.831,51.556 56.831,51.831 56.656,52.006 55.881,52.006 55.706,52.181 55.706,52.431 55.906,52.631 56.631,52.631 56.756,52.756 56.756,52.956 56.606,53.106 55.831,53.106 55.706,53.231 55.706,53.456 55.881,53.631 57.631,53.631 58.006,54.006 58.006,60.356 56.856,61.506 v1@56.831,61.506
DDR-DQ9_0: U31.E3 U66.C3 | length 32.7
  Top Layer w0.152: U31.E3@50.04,41.308 50.431,41.699 50.431,43.556 51.506,44.631 51.506,45.581 52.206,46.281 52.206,47.006 56.956,51.756 56.956,52.531 59.131,54.706 59.131,55.106 59.006,55.231 58.656,55.231 58.481,55.406 58.481,55.631 58.631,55.781 58.981,55.781 59.131,55.931 59.131,56.181 58.981,56.331 58.606,56.331 58.481,56.456 58.481,56.681 58.631,56.831 58.956,56.831 59.106,56.981 59.106,63.306 v1@58.481,63.931 ; U66.C3@54.631,64.556 54.631,64.506 v1@55.031,64.106
  Bottom Layer w0.152: v1@55.031,64.106 58.356,64.106 v1(58.531,63.931)
  other v1: 55.031,64.081
DDR-DQ10_0: U31.G3 U66.C8 | length 33.2
  Top Layer w0.152: U31.G3@48.432,41.308 48.804,41.681 v1(48.831,41.681) ; v1@49.131,45.956 v1(49.106,45.956) 49.106,49.631 49.606,50.131 49.856,50.131 50.181,49.806 50.431,49.806 50.581,49.956 50.581,50.181 50.231,50.531 50.231,50.731 50.406,50.906 50.606,50.906 50.956,50.556 51.206,50.556 51.356,50.706 51.356,50.931 50.956,51.331 50.956,51.456 54.181,54.681 v1(54.306,54.681) ; U66.C8@54.631,60.481 54.656,60.481 v1(55.031,60.106)
  Bottom Layer w0.152: v1(48.831,41.681) 49.231,42.081 49.231,45.781 v1@49.156,45.856 ; v1@54.206,54.681 53.906,54.681 53.581,55.006 53.581,56.131 53.756,56.306 53.981,56.306 54.081,56.206 54.081,55.231 54.131,55.181 54.531,55.181 54.581,55.231 54.581,55.656 54.731,55.806 54.981,55.806 55.106,55.681 55.106,54.406 55.231,54.281 55.481,54.281 55.581,54.381 55.581,55.531 55.856,55.806 56.381,55.806 56.606,56.031 56.606,56.881 56.456,57.031 56.231,57.031 56.081,57.181 56.081,58.356 55.406,59.031 55.406,59.756 55.056,60.106 v1(55.031,60.106)
DDR-DQ11_0: U31.H3 U66.C2 | length 32.8
  Top Layer w0.152: U31.H3@47.628,41.308 47.633,41.308 v1@48.006,41.681 ; v1@48.056,45.031 v1(48.081,45.056) 48.606,45.581 48.606,49.781 54.656,55.831 55.681,55.831 58.206,58.356 58.206,62.656 57.706,63.156 57.706,65.456 57.431,65.731 55.006,65.731 U66.C2@54.631,65.356
  Bottom Layer w0.152: v1@47.981,41.631 v1(48.031,41.681) 48.031,43.281 48.024,43.287 48.024,44.999 v1(48.081,45.056)
DDR-DQ12_0: U31.J3 U66.A7 | length 32.7
  Top Layer w0.152: U31.J3@46.824,41.308 46.858,41.308 v1(47.231,41.681) ; v1(46.931,46.431) 46.931,50.631 50.231,53.931 50.231,58.706 50.381,58.856 50.631,58.856 50.756,58.731 50.756,57.581 50.831,57.506 51.131,57.506 51.256,57.631 51.256,58.756 51.406,58.906 51.556,58.906 51.731,58.731 51.731,57.931 51.856,57.806 52.106,57.806 52.256,57.956 52.256,58.706 52.431,58.881 56.606,58.881 57.081,59.356 57.081,60.481 56.256,61.306 U66.A7@56.231,61.306
  Bottom Layer w0.152: v1@46.931,46.331 46.931,43.481 47.231,43.181 v1(47.231,41.681)
DDR-DQ13_0: U31.H2 U66.A2 | length 32.6
  Top Layer w0.152: U31.H2@47.628,42.107 47.231,42.504 47.231,45.581 47.806,46.156 47.806,50.231 51.006,53.431 51.006,55.581 53.556,58.131 57.131,58.131 57.831,58.831 57.831,62.056 56.706,63.181 56.706,63.531 56.831,63.656 57.156,63.656 57.331,63.831 57.331,64.106 57.231,64.206 56.856,64.206 56.706,64.356 56.706,64.581 56.881,64.756 57.231,64.756 57.331,64.856 57.331,65.131 57.131,65.331 U66.A2@56.306,65.331
DDR-DQ14_0: U31.H1 U66.B8 | length 33
  Top Layer w0.152: U31.H1@47.628,42.906 47.628,45.353 48.181,45.906 48.181,49.981 51.631,53.431 51.631,53.806 51.381,54.056 51.381,54.331 51.531,54.481 51.731,54.481 52.056,54.156 52.381,54.156 52.481,54.256 52.481,54.456 51.606,55.331 51.606,55.531 51.806,55.731 51.981,55.731 52.856,54.856 53.106,54.856 53.256,55.006 53.256,55.281 52.306,56.231 52.306,56.381 52.481,56.556 52.706,56.556 53.606,55.656 53.856,55.656 54.006,55.806 54.006,56.006 53.356,56.656 53.356,57.256 53.706,57.606 54.256,57.606 54.431,57.431 54.431,57.031 54.606,56.856 54.881,56.856 54.981,56.956 54.981,57.406 55.181,57.606 55.356,57.606 55.506,57.456 55.506,56.981 55.631,56.856 55.881,56.856 56.031,57.006 56.031,57.481 56.131,57.581 v1(56.556,57.581) ; U66.B8@55.431,60.481 55.806,60.106 v1(55.831,60.106)
  Bottom Layer w0.152: v1(55.831,60.106) 55.881,60.106 56.281,59.706 56.281,58.956 56.606,58.631 v1@56.606,57.631
DDR-DQ15_0: U31.J1 U66.A3 | length 32.9
  Top Layer w0.152: U31.J1@46.824,42.906 46.824,45.699 47.456,46.331 47.456,50.531 50.606,53.681 50.606,55.681 53.406,58.481 56.681,58.481 57.456,59.256 57.456,61.556 55.981,63.031 53.906,63.031 53.781,63.156 53.781,63.431 53.931,63.581 56.031,63.581 56.231,63.781 U66.A3@56.231,64.481
DDR-LDM_0: U31.A1 U66.E7 | length 32.8
  Top Layer w0.152: U66.E7@53.031,61.306 53.406,60.931 v1(53.431,60.931) ; U31.A1@53.256,42.906 54.056,43.706 54.056,45.806 v1(55.556,47.306)
  Bottom Layer w0.152: v1@53.406,60.831 53.031,60.456 53.031,54.931 53.931,54.031 54.856,54.031 55.231,53.656 55.231,51.131 55.431,50.931 56.656,50.931 56.881,50.706 56.881,50.506 56.706,50.331 55.406,50.331 55.231,50.156 55.231,49.906 55.356,49.781 56.656,49.781 56.831,49.606 56.831,49.381 56.681,49.231 55.381,49.231 55.256,49.106 55.256,48.806 55.381,48.681 56.881,48.681 56.981,48.581 56.981,48.306 56.881,48.206 56.031,48.206 55.856,48.031 55.856,47.781 55.981,47.656 57.206,47.656 57.406,47.456 57.406,47.156 57.281,47.031 55.831,47.031 v1(55.556,47.306)
DDR-LDQS#_0: U31.B2 U66.G3 | length 32.6
  Top Layer w0.152: v1(51.181,63.956) 51.406,63.956 51.581,64.131 51.581,64.406 U66.G3@51.431,64.556 ; U31.B2@52.452,42.107 52.856,42.511 52.856,43.581 53.556,44.281 53.556,46.331 58.556,51.331 v1(58.906,51.331)
  Bottom Layer w0.152: v1(51.181,63.956) 51.406,63.956 51.756,64.306 52.531,64.306 53.906,62.931 57.506,62.931 59.381,61.056 59.381,52.156 58.956,51.731 v1@58.956,51.381
DDR-LDQS_0: U31.C2 U66.F3 | length 32.7
  Top Layer w0.152: U31.C2@51.648,42.107 52.031,42.49 52.031,43.131 52.024,43.137 52.024,43.599 52.331,43.906 52.656,43.906 53.231,44.481 53.231,46.481 58.256,51.506 v1(58.256,51.981) ; v1(51.756,63.381) 51.756,63.681 52.131,64.056 52.131,64.456 U66.F3@52.231,64.556
  Bottom Layer w0.152: v1@51.756,63.456 51.756,63.731 52.006,63.981 52.406,63.981 53.806,62.581 57.331,62.581 59.056,60.856 59.056,52.231 58.806,51.981 v1(58.256,51.981)
DDR-ODT_0: R2513.2 R2642.1 U66.K1 | length 35.1
  Top Layer w0.152: v1(38.131,59.481) 37.506,59.481 37.256,59.731 37.256,63.681 42.406,68.831 48.256,68.831 v1(49.081,68.006) 49.031,67.956 U66.K1@49.031,66.106
  Bottom Layer w0.152: v1@38.156,59.531 38.181,59.506 38.181,52.206 38.881,51.506 38.881,49.856 39.431,49.306 R2513.2@39.431,48.906 ; v1@49.131,68.081 49.081,68.131 49.081,69.006 49.231,69.156 R2642.1@49.231,70.781
DDR-RAS_0: R2532.2 R2639.1 U66.J3 | length 40.8
  Top Layer w0.152: v1(41.606,60.481) 41.606,61.156 43.231,62.781 47.381,62.781 47.656,63.056 48.831,63.056 49.081,63.306 v1(49.081,63.906) 49.181,63.906 U66.J3@49.831,64.556
  Bottom Layer w0.152: R2532.2@38.406,48.881 38.406,48.906 37.256,50.056 37.256,60.931 37.456,61.131 39.231,61.131 39.431,60.931 39.431,59.906 39.631,59.706 39.831,59.706 39.981,59.856 39.981,60.906 40.181,61.106 40.381,61.106 40.506,60.981 40.506,60.631 40.656,60.481 v1@41.506,60.481 ; v1@49.081,63.831 49.006,63.906 49.006,64.731 49.012,64.737 49.012,65.074 49.006,65.08 49.006,65.881 50.506,67.381 50.506,70.256 50.756,70.506 50.756,72.856 50.406,73.206 R2639.1@50.231,73.206
DDR-RESET_0: R2645.1 U31.B4 U66.T2 | length 35.5
  Top Layer w0.152: v1(43.606,65.331) 44.206,65.331 U66.T2@44.231,65.356 ; v1(52.031,40.106) 52.048,40.106 U31.B4@52.452,40.51
  Bottom Layer w0.152: R2645.1@43.231,67.481 43.006,67.256 43.006,65.931 44.456,64.481 47.756,64.481 50.256,61.981 50.256,60.381 50.624,60.012 50.624,56.687 51.131,56.181 51.131,53.381 51.506,53.006 51.506,44.906 52.956,43.456 52.956,42.631 51.649,41.324 51.649,40.412 51.956,40.106 v1(52.031,40.106)
DDR-UDM_0: U31.F1 U66.D3 | length 32.1
  Top Layer w0.152: U31.F1@49.236,42.906 49.236,44.036 50.356,45.156 50.356,47.306 52.306,49.256 53.056,49.256 57.956,54.156 57.956,55.581 57.806,55.731 56.856,55.731 56.706,55.881 56.706,56.131 56.806,56.231 57.781,56.231 57.956,56.406 57.956,57.456 58.581,58.081 v1@58.581,63.131 ; U66.D3@53.831,64.556 54.206,64.181 v1(54.206,64.106)
  Bottom Layer w0.152: v1(54.206,64.106) 54.281,64.106 54.781,63.606 58.231,63.606 v1@58.656,63.181
  other v1: 58.631,63.156
DDR-UDQS#_0: U31.F2 U66.B7 | length 32.6
  Top Layer w0.152: U31.F2@49.236,42.107 48.856,42.487 48.856,44.331 49.906,45.381 49.906,48.081 51.506,49.681 52.231,49.681 52.656,50.106 52.656,50.631 52.181,51.106 52.181,51.331 52.381,51.531 52.631,51.531 53.306,50.856 53.781,50.856 54.131,51.206 54.131,51.706 53.406,52.431 53.406,52.706 53.531,52.831 53.731,52.831 54.431,52.131 54.931,52.131 55.281,52.481 55.281,52.931 54.756,53.456 54.756,53.956 54.856,54.056 55.256,54.056 55.531,53.781 55.981,53.781 56.431,54.231 v1@56.856,54.231 ; v1(55.056,61.731) 55.056,61.681 U66.B7@55.431,61.306
  Bottom Layer w0.152: v1(55.056,61.731) 54.831,61.506 54.831,61.306 55.181,60.956 56.881,60.956 57.431,60.406 57.431,55.206 56.931,54.706 v1@56.931,54.381
  other v1: 56.906,54.231
DDR-UDQS_0: U31.G2 U66.C7 | length 32.9
  Top Layer w0.152: U31.G2@48.432,42.107 48.024,42.515 48.024,43.999 49.606,45.581 49.606,48.206 51.431,50.031 52.056,50.031 52.306,50.281 52.306,50.506 51.856,50.956 51.856,51.531 52.206,51.881 52.706,51.881 53.381,51.206 53.656,51.206 53.806,51.356 53.806,51.531 53.031,52.306 53.031,52.781 53.431,53.181 53.856,53.181 54.556,52.481 54.806,52.481 54.931,52.606 54.931,52.831 54.431,53.331 54.431,54.081 54.731,54.381 55.381,54.381 55.656,54.106 55.856,54.106 56.256,54.506 v1(56.256,54.856) ; v1(54.256,61.731) 54.256,61.681 U66.C7@54.631,61.306
  Bottom Layer w0.152: v1@54.331,61.681 54.531,61.481 54.531,61.156 55.081,60.606 56.756,60.606 57.106,60.256 57.106,55.331 56.631,54.856 v1(56.256,54.856)
DDR-WE_0: R2534.2 R2641.1 U66.L3 | length 39.8
  Top Layer w0.152: v1(38.781,55.431) 38.781,56.081 39.956,57.256 40.381,57.256 40.956,57.831 40.956,59.356 41.356,59.756 41.356,60.106 41.081,60.381 41.081,61.156 43.106,63.181 47.181,63.181 47.406,63.406 47.406,63.931 47.556,64.081 47.806,64.081 47.906,63.981 47.906,63.531 48.006,63.431 48.406,63.431 48.556,63.581 48.556,64.231 48.231,64.556 48.181,64.556 v1(47.831,64.906)
  Bottom Layer w0.152: v1@38.806,55.356 38.806,54.131 38.931,54.006 40.231,54.006 40.356,53.881 40.356,53.631 40.231,53.506 38.806,53.506 38.706,53.406 38.706,53.206 38.906,53.006 40.981,53.006 42.506,51.481 R2534.2@42.506,48.931 ; v1@47.856,64.956 48.281,65.381 48.281,66.181 49.731,67.631 49.731,72.656 49.231,73.156 R2641.1@49.231,73.206